# Allegro board hdk2_0-hmd-2-pvt-l8-0526p1530.brd (continued)
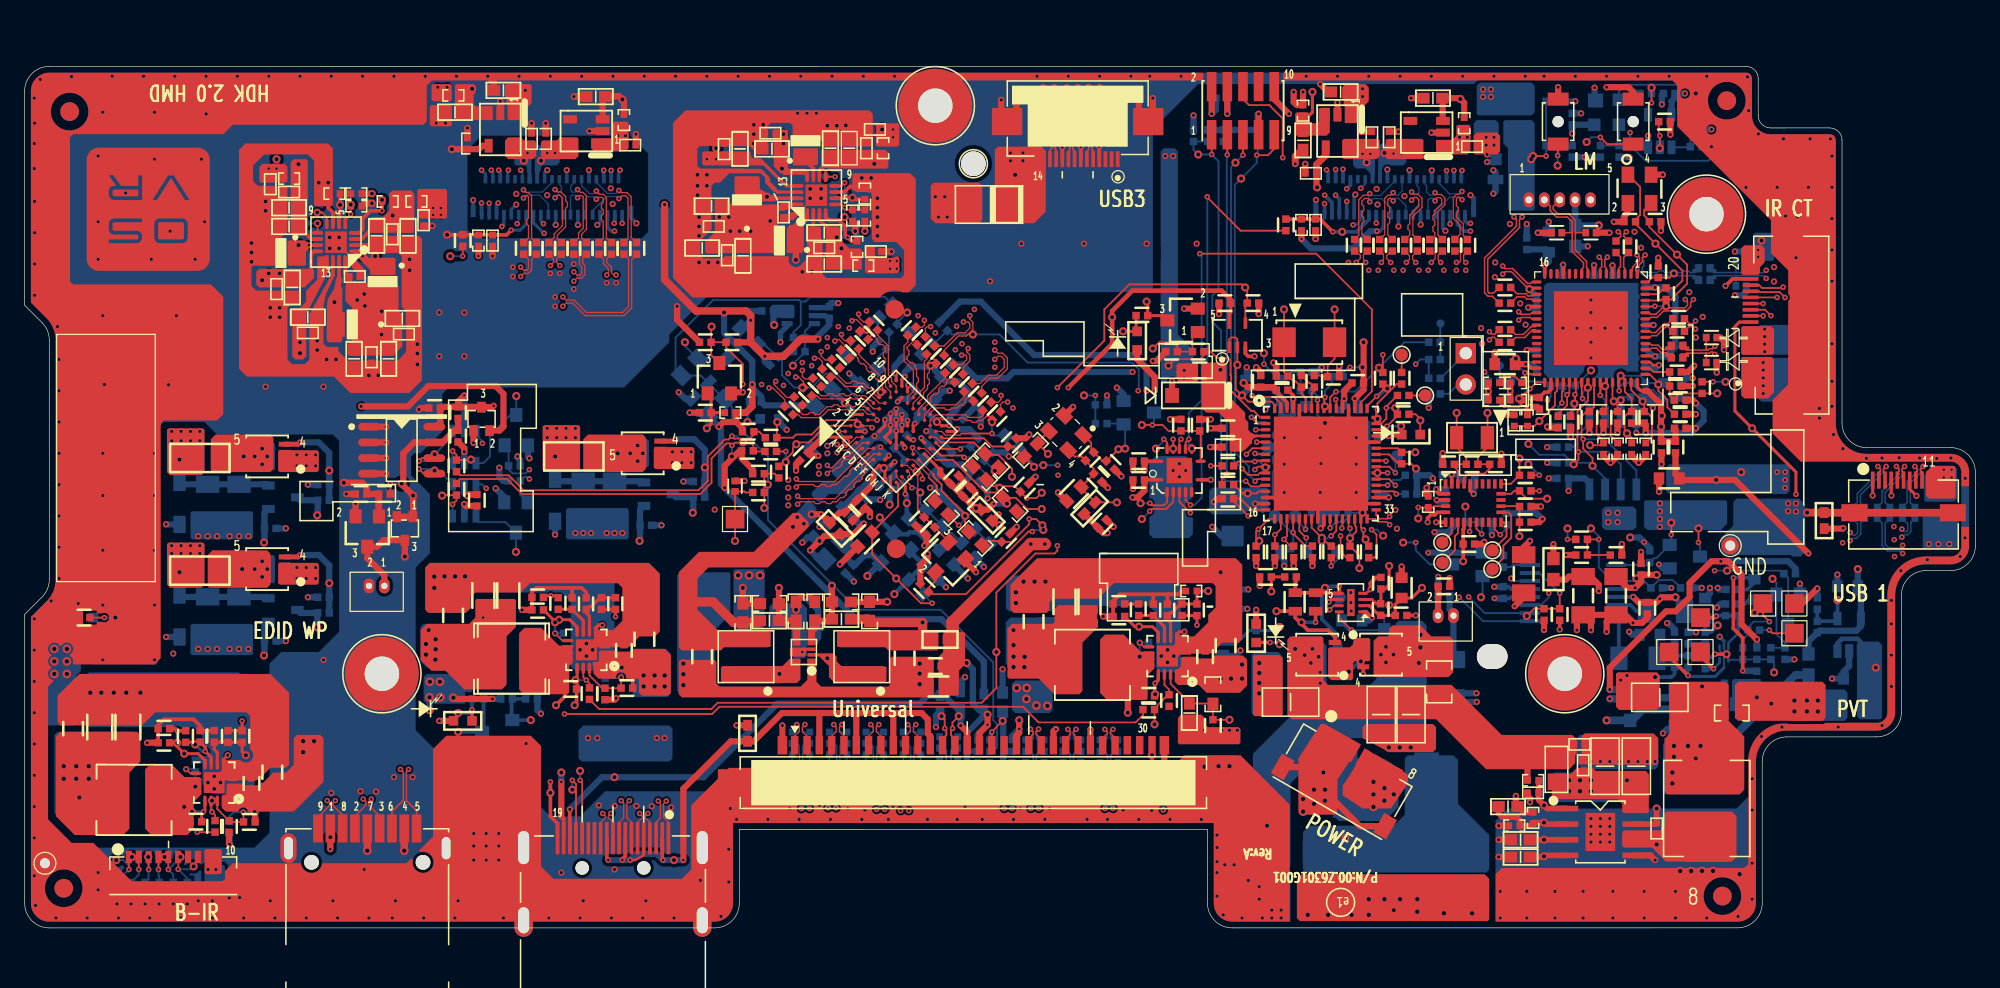
[diagram p0: board, top side]
## Routing (per net, layer and track width the routed paths; a pad name or vN(x,y) marks a point on that pad's centre or on a via; arc(x,y) is an arc through that point) (continued)
  vias: v1(65.15,21.89)
N17195179: length 4.2
  TOP w0.508: v1(65.52,27.78) R845.2 C830.2 65.38,24.92 R846.1
N17195189: length 2.9
  TOP w0.508: R845.1 68.56,26.46 R844.2 v1(70,26.47)
N17195330: length 2.6
  TOP w0.508: v1(58.29,27.6) R847.2 58.3,26.33 R849.1
N17352444: length 16.1
  TOP w0.102: v2(69.18,41.22) 69.18,41.22 U57.B4
  BOTTOM w0.152: R744.2 60,47.36 Q21.3 ; R744.2 61.46,46.05 61.46,44.87 62.48,43.86 v1(63.12,43.86) 63.88,43.86 65.02,45 65.55,45 69.18,41.37 v2(69.18,41.22) ; R744.2 61.59,46.78 R1150.2
N17359171: length 8.4
  TOP w0.152: U55.8 95.45,40.27 R750.2 R748.2 92.83,40.34 92.35,40.82 v2(91.53,40.82) v1(90.67,40.82)
  BOTTOM w0.152: v2(91.53,40.82) 91.65,40.95 Q23.2
N17359836: length 3.4
  BOTTOM w0.152: v1(89.32,38.91) 89.32,40.75 Q23.1 89.13,40.94 R751.1
N17370797: length 3.7
  TOP w0.254: v2(67.08,41.67) 67.28,41.67 67.29,41.68 U57.A4
  BOTTOM w0.508: R745.2 66.57,42.64 v1(66.57,42.61) 67.08,42.11 v2(67.08,41.67)
N17391311: length 3.5
  TOP w0.254: J1.30 v2(91.5,13.12)
  BOTTOM w0.254: R1004.1 91.49,12.8 91.5,12.81 v2(91.5,13.12) v1(91.5,14.01)
N17439786: length 7.4
  BOTTOM w0.152: v1(39.9,43.17) Q30.2 39.43,41.64 37.77,39.97 37.77,38.27 37.23,37.73 U64.1
N17441592: length 13
  TOP w0.508: D12.2 D12.1 31.53,33.4 v1(31.53,35.1) 30.73,35.89 30.73,38.52 31.62,39.41 U65.7 33.91,39.41 34.88,40.39 R1089.1 R1087.2
N17441689: length 3
  TOP w0.152: v1(36.22,38.02) 36.18,37.98 R1085.1 35.05,38.4 v2(34.73,38.71)
  BOTTOM w0.152: U64.3 v2(34.73,38.71)
N17441691: length 3
  TOP w0.152: v1(33.88,35.1) 33.92,35.13 R1088.1 35.05,34.7 v2(34.73,34.38)
  BOTTOM w0.152: U66.3 v2(34.73,34.38)
N17442615: length 5.5
  BOTTOM w0.152: U66.1 36.63,33.16 36.85,32.94 39.02,32.94 Q31.2 v1(39.87,30.52)
N17443574: length 5.3
  TOP w0.152: v2(32,37.89) 32.25,38.14 U65.6
  BOTTOM w0.152: U64.4 34.73,39.91 v1(33.27,38.45) 32.71,37.89 v2(32,37.89)
N17443583: length 4.6
  TOP w0.152: v2(32,37.25) 32.38,36.87 U65.5
  BOTTOM w0.152: U66.4 33.62,37.13 v1(33.27,37.13) 33.14,37.25 v2(32,37.25)
N17447968: length 8.4
  TOP w0.508: v1(30.86,30.14) D12.3 29.13,31.48 28.59,30.94 Q40.3 27.81,30.02 29.2,28.63 J102.1
N17448224: length 5.8
  TOP w0.152: v1(91.56,47.03) 92.07,47.54 93.21,47.54 93.56,47.2 R1093.1 R1092.2 94.78,47.94 Q32.1
N17448253: length 2.9
  TOP w0.254: v1(91.06,50.84) 91.14,50.75 R1091.2 92.36,49.7 Q32.3
N17448268: length 2.5
  TOP w0.254: R1091.1 90.2,48.51 LD17.2 89.16,48.42 v1(89.15,48.43)
N17463628: length 5.4
  TOP w0.508: 28.76,35.2 R1148.2 R1147.1 27.77,35.77 27.4,36.14 v1(25.9,36.14)
  TOP w0.559: Q40.1 28.74,33.43 R1148.2
N17479334: length 4.2
  TOP w0.254: R1157.1 55.71,40.9 v1(55.37,40.56) ; R1157.1 55.71,43.11 Q42.1 ; R1157.1 R1154.1
N17484426: length 5.4
  BOTTOM w0.152: v1(69.47,43.48) 69.23,43.71 Q43.1 69.23,46.28 R1159.2 70.15,47.2 R1158.2
N17487205: length 2.6
  BOTTOM w0.152: D16.3 71.49,48.34 R1158.1 70.81,49.14 v1(71.62,49.95)
N17489601: length 4.1
  BOTTOM w0.152: 66.82,46.51 66.82,47.05 v1(68.32,48.56) R1155.1
N168632800: length 3.8
  BOTTOM w0.152: v1(129.54,44.82) 131.11,44.82 131.53,44.4 R529.2 LD13.1
N168718030: length 3
  TOP w0.152: R252.1 v2(6.47,25.19)
  BOTTOM w0.152: LD4.2 v2(6.47,25.19) v1(7.36,25.19)
N169110401: length 3
  TOP w0.305: v2(36.31,17.71) 36.31,17.71 LD5.2
  BOTTOM w0.305: R55.1 v2(36.31,17.71) 36.04,17.44 v1(35.18,17.44)
N169110490: length 4.7
  BOTTOM w0.305: R55.2 37.25,16.05 Q11.3 v1(35.18,15.92)

## Copper pours and planes (outline as drawn; the poured copper is in the pictures)
1V2_VPH on TOP (solid shape): 90.5,22.51 90.51,22.51 90.57,22.44 91.64,22.44 91.7,22.38 91.7,21.06 91.14,20.51 91.14,18.62 91.03,18.51 87.83,18.51 87.28,19.06 87.28,23.41 87.69,23.81 89.19,23.81
1V2_VUNREG on TOP (solid shape): 87.12,26.08 87.12,25.58 87.02,25.28 87.12,24.99 87.12,24.43 85.85,23.16 85.85,19.22 85.59,18.97 83.56,18.97 82.29,20.24 79.88,20.24 79.75,20.36 79.75,20.86 79.76,20.86 79.78,21 79.76,21.13 79.75,21.14 79.75,24.3 80.13,24.68 83.44,24.68 83.59,24.83 83.59,25.93 83.85,26.2 87,26.2
1V2_VUNREG on BOTTOM (solid shape): 85.1,25.43 85.1,24.57 84.96,24.43 83.82,24.43 83.67,24.28 83.57,24.28 83.57,24.18 83.44,24.05 83.44,20.74 83.38,20.69 80.12,20.69 79.88,20.92 79.88,21 79.81,21.25 79.63,21.44 79.63,24.81 80.02,25.2 82.2,25.2 82.23,25.23 83.56,25.23 83.9,25.57 84.96,25.57
12V_IN on TOP (solid shape): 105.41,23.54 105.41,20.11 105.79,19.73 115.82,19.73 119.88,15.66 125.6,15.66 125.98,15.28 125.98,14.14 125.85,14.01 125.85,13.38 125.35,12.87 118.61,12.87 114.55,16.93 102.87,16.93 102.49,17.32 102.49,23.41 102.74,23.67 105.28,23.67
12V_IN on BOTTOM (solid shape): 105.66,22.9 105.66,19.47 105.28,19.09 102.74,19.09 102.49,19.35 102.49,22.9 102.87,23.28 105.28,23.28
12V_R on TOP (solid shape): 114.17,23.67 115.69,23.67 115.95,23.41 115.95,20.74 115.57,20.36 109.47,20.36 109.47,23.28 109.85,23.67 110.61,23.67 110.74,23.79 110.74,24.3 110.99,24.55 113.28,24.55
12V_R on BOTTOM (solid shape): 113.79,24.55 113.79,16.55 112.65,15.41 106.42,15.41 102.74,11.73 102.74,5 102.49,4.74 102.1,4.74 99.06,4.74 98.8,5 98.8,8.81 99.69,9.7 99.69,14.14 104.01,18.46 107.95,18.46 109.72,20.24 109.72,23.03 109.98,23.28 110.87,23.28 111.25,23.67 111.25,24.68 111.5,24.94 113.41,24.94
+12V on TOP (solid shape): 111.64,12.89 112.26,12.42 112.26,11.73 110.89,9.7 108.58,9.7 106.97,10.76 106.97,11.56 107.21,11.88 107.28,12 107.44,12.24 108.84,14.52
+12V on BOTTOM (solid shape): 111.5,13 111.5,9.82 110.36,8.68 106.68,8.68 106.3,9.06 106.3,13.51 106.55,13.76 110.27,13.76
+12V_F on BOTTOM (solid shape): 116.33,13.63 116.33,10.08 118.87,7.54 118.87,4.74 118.61,4.49 104.01,4.49 103.76,4.74 103.76,7.79 104.26,8.3 111.12,8.3 112.01,9.19 112.01,13.76 112.26,14.01 115.95,14.01
AVDD_11_HDMI on BOTTOM (solid shape): 70.3,38.4 70.3,38.27 69.95,37.92 69.34,37.92 66.65,35.22 65.27,35.22 64.77,34.71 64.26,34.71 63.88,35.1 63.88,35.35 64.77,36.24 66.11,36.24 69.14,39.26 69.44,39.26
AVDD_11_HDMI on L4_IN2 (solid shape): 68.45,40.43 68.45,39.54 68.7,39.29 70.23,39.29 70.35,39.16 70.35,38.14 70.1,37.89 68.32,37.89 67.43,38.78 67.43,40.43 67.56,40.56 68.32,40.56
AVDD_COM_L on TOP (solid shape): 24.61,54.42 24.61,53.22 24.51,53 23.24,50.56 23.08,50.27 23,50.27 23,50.12 22.86,49.87 22.86,46.4 22.6,46.14 21.97,46.14 21.71,46.4 21.71,50.21 21.84,50.34 22.33,50.34 22.35,50.34 22.84,50.83 22.84,51.72 23.75,52.62 23.75,53.49 23.75,54.4 23.86,54.51 24.07,54.51 24.12,54.52 24.18,54.53 24.51,54.53
AVDD_COM_R on TOP (solid shape): 58.92,62.91 58.92,62.65 59.1,62.48 59.74,62.48 61.03,61.18 60.93,61.07 60.84,61.07 60.02,61.89 55.11,61.89 54.99,62.02 54.99,62.91 55.11,63.04 58.8,63.04
DGND on TOP (solid shape): 23.87,38.65 23.87,37.13 23.75,37 20.7,37 20.57,37.13 20.57,38.65 20.7,38.78 23.75,38.78
DGND on TOP (solid shape): 23.87,29.51 23.87,27.98 23.75,27.86 20.7,27.86 20.57,27.98 20.57,29.51 20.7,29.63 23.75,29.63
DGND on TOP (solid shape): 54.35,38.91 54.35,37.38 54.23,37.25 51.18,37.25 51.05,37.38 51.05,38.91 51.18,39.03 54.23,39.03
DGND on TOP (solid shape): 114.55,16.3 114.55,14.52 114.3,14.27 110.74,14.27 108.58,15.41 108.58,16.3 108.84,16.55 114.3,16.55
DGND on TOP (solid shape): 132.71,20.49 132.71,17.95 132.46,17.7 129.41,17.7 129.16,17.95 129.16,20.62 129.28,20.74 132.46,20.74
DGND on TOP (solid shape): 27.68,53.38 27.68,52.62 26.92,52.62 26.92,53.26 26.87,53.31 26.87,53.41 26.77,53.41 26.54,53.64 26.54,54.02 26.67,54.15 26.92,54.15
DGND on TOP (solid shape): 34.67,66.67 34.67,65.19 34.54,65.07 33.02,65.07 32.89,65.19 32.89,66.67 33.02,66.79 34.54,66.79
DGND on TOP (solid shape): 77.72,60.24 77.72,57.45 77.47,57.19 73.91,57.19 73.53,57.57 73.53,60.24 73.78,60.5 77.47,60.5
DGND on TOP (solid shape): 102.1,21.89 102.1,17.32 101.98,17.19 99.82,17.19 99.69,17.32 99.69,22.01 99.82,22.14 101.85,22.14
DGND on TOP (solid shape): 119.76,64.31 119.76,63.04 119.5,62.78 117.73,62.78 117.6,62.91 117.6,64.31 117.85,64.56 119.5,64.56
DGND on TOP (solid shape): 141.98,48.61 141.98,46.65 141.86,46.53 139.42,46.53 139.32,46.63 139.32,48.74 139.42,48.84 141.75,48.84
DGND on TOP (solid shape): 95.75,17.06 95.75,16.55 96.01,16.3 98.42,16.3 98.68,16.05 98.68,15.03 98.55,14.9 93.72,14.9 93.6,15.03 93.6,17.06 93.85,17.32 95.5,17.32
DGND on TOP (solid shape): 132.58,15.41 132.58,13.38 132.46,13.25 127.36,13.25 127.02,13.25 127.02,13.28 126.21,13.28 126.11,13.38 126.11,13.89 126.36,14.14 126.36,15.54 126.62,15.79 132.2,15.79
DGND on TOP (solid shape): 63.12,58.19 62.37,57.45 62.1,57.45 61.85,57.19 61.34,57.19 61.34,57.27 61.31,57.3 61.31,57.9 61.34,57.9 61.34,57.96 61.73,57.96 61.97,57.96 62.02,58.01 62.13,58.01 62.13,58.08 62.35,58.08 62.59,58.32 62.76,58.32 62.81,58.33 62.86,58.34 63.12,58.34
DGND on TOP (solid shape): 73.78,21.89 73.78,18.84 73.66,18.71 53.34,18.71 53.08,18.97 53.08,21.63 53.21,21.76 56,21.76 56.13,21.63 56.13,19.86 56.38,19.6 62.99,19.6 63.52,20.14 63.52,21.84 63.55,21.86 64.21,21.86 64.26,21.81 64.26,19.98 64.64,19.6 70.1,19.6 70.23,19.73 70.23,21.89 70.35,22.01 73.66,22.01
DGND on TOP (solid shape): 98.82,29.49 98.82,23.44 98.53,23.15 97.19,23.15 96.36,22.32 96.26,22.32 96.26,22.26 93.85,22.26 93.6,22.01 93.6,21.38 93.47,21.25 92.07,21.25 91.94,21.38 91.94,22.78 92.07,22.9 93.21,22.9 93.37,23.06 93.37,23.74 93.42,23.79 93.72,23.79 93.85,23.67 94.92,23.67 96.06,24.81 96.06,25.41 96.66,26.01 96.66,27.74 96.41,27.98 88.39,27.98 87.12,26.71 83.44,26.71 83.18,26.46 83.18,25.82 82.93,25.57 80.26,25.57 80.01,25.82 80.01,27.86 82.17,30.02 98.29,30.02
DGND on TOP (solid shape): 51.56,28.75 51.56,24.05 51.17,23.66 49.91,23.66 49.03,22.78 46.63,22.78 46.62,22.77 46.47,22.77 46.34,22.64 46.34,22.39 45.96,22.01 45.2,22.01 44.94,22.26 44.94,23.15 45.19,23.4 45.22,23.39 45.36,23.37 45.49,23.4 45.5,23.4 45.68,23.4 45.69,23.4 45.84,23.37 45.99,23.4 46,23.4 46.21,23.4 46.21,23.63 46.23,23.72 46.23,23.76 46.23,24.06 46.35,24.17 47.75,24.17 48.51,24.94 48.51,25.3 48.51,27.36 48.51,27.6 48.14,27.98 41.01,27.98 40.26,27.22 36.57,27.22 36.19,26.84 36.19,25.95 35.81,25.57 32.76,25.57 32.51,25.82 32.51,29.25 32.89,29.63 50.67,29.63
DGND on TOP (solid shape): 25.02,63.29 25.02,58.72 24.89,58.59 23.62,58.59 23.49,58.72 23.49,62.27 22.98,62.78 19.43,62.78 18.54,61.89 18.54,60.62 18.92,60.24 21.21,60.24 21.33,60.11 21.33,56.53 20.62,55.82 20.62,54.09 20.29,53.76 18.54,53.76 18.41,53.64 18.41,52.11 18.79,51.73 22.22,51.73 22.35,51.61 22.35,50.72 22.22,50.59 21.59,50.59 21.33,50.34 21.33,46.14 21.71,45.76 22.73,45.76 23.11,46.14 23.11,49.8 24.38,52.11 24.56,52.11 24.25,50.46 24.27,50.38 24.25,50.34 24.25,47.41 24.51,47.16 25.47,47.16 25.47,46.81 26.23,46.04 30.27,46.04 30.6,46.37 30.6,46.4 30.96,46.75 30.96,50.06 30.6,50.41 30.6,54.53 30.35,54.78 28.19,54.78 27.94,55.03 27.94,55.92 28.19,56.18 32,56.18 32.25,55.92 32.25,45.64 32.23,45.61 32.23,44.44 31.21,43.43 26.44,43.43 25.12,44.75 18.03,44.75 17.4,45.38 17.4,63.16 17.9,63.67 24.63,63.67
DGND on TOP (solid shape): 21.46,19.09 21.46,13.25 21.21,13 19.95,13 19.67,12.72 18.99,12.05 18.89,12.05 18.89,11.98 16.39,11.99 16.26,11.99 16.14,11.86 16.13,11.61 15.75,11.23 14.99,11.23 14.74,11.49 14.74,12.37 14.99,12.62 15.07,12.6 15.18,12.6 15.29,12.62 15.3,12.63 15.48,12.63 15.58,12.6 15.62,12.59 15.91,12.7 16.03,12.99 16.03,13.54 16.13,13.63 17.51,13.63 18.38,13.62 18.3,14.48 18.3,14.65 18.31,16.56 18.31,17.19 17.99,17.51 10.6,17.51 9.52,16.43 2.92,16.43 2.66,16.68 2.66,18.84 4.44,20.62 19.94,20.62
DGND on TOP (solid shape): outline of 109 points within 52.61,51.18 72.33,66.37
DGND on TOP (solid shape): outline of 285 points within 5.03,53.34 15.03,63.34
DGND on TOP (solid shape): outline of 325 points within 119.38,0.51 157.81,32.56
DGND on TOP (solid shape): outline of 338 points within 102.15,35.86 157.81,69.42
DGND on TOP (solid shape): outline of 1343 points within 0.51,0.51 102.68,69.42
DGND on BOTTOM (solid shape): 18.54,33.7 18.54,31.67 18.41,31.54 13.59,31.54 13.46,31.67 13.46,33.7 13.59,33.83 18.41,33.83
DGND on BOTTOM (solid shape): 18.54,24.55 18.54,22.27 18.41,22.14 13.59,22.14 13.46,22.27 13.46,24.55 13.59,24.68 18.41,24.68
DGND on BOTTOM (solid shape): 49.02,33.95 49.02,31.67 48.89,31.54 44.07,31.54 43.94,31.67 43.94,33.95 44.07,34.08 48.89,34.08
DGND on BOTTOM (solid shape): 52.57,16.17 52.57,13.76 52.32,13.51 45.21,13.51 44.95,13.76 44.95,16.05 45.34,16.43 52.32,16.43
DGND on BOTTOM (solid shape): 130.81,33.95 130.81,32.56 130.55,32.3 128.27,32.3 128.01,32.56 128.01,33.95 128.27,34.21 130.55,34.21
DGND on BOTTOM (solid shape): 144.9,48.81 144.9,46.65 144.78,46.53 140.84,46.53 140.71,46.65 140.71,48.81 140.84,48.94 144.78,48.94
DGND on BOTTOM (solid shape): 102.1,22.01 102.1,17.32 101.98,17.19 99.82,17.19 99.56,17.44 99.56,22.14 99.82,22.4 101.72,22.4
DGND on BOTTOM (solid shape): 119.63,65.32 119.63,63.42 119.38,63.16 117.85,63.16 117.6,63.42 117.6,65.32 117.85,65.58 119.38,65.58
DGND on BOTTOM (solid shape): 132.58,15.28 132.58,13.12 132.33,12.87 126.49,12.87 125.98,13.38 125.98,15.41 126.23,15.66 132.2,15.66
DGND on BOTTOM (solid shape): 156.97,33.32 156.97,31.03 156.71,30.78 154.17,30.78 154.05,30.9 154.05,33.32 154.17,33.44 156.84,33.44
DGND on BOTTOM (solid shape): 57.27,28.75 57.27,25.44 56,24.17 56,19.22 55.88,19.09 53.08,19.09 52.96,19.22 52.96,28.62 53.21,28.87 57.15,28.87
DGND on BOTTOM (solid shape): 71.73,41.73 71.73,40.91 70.35,39.54 69.03,39.54 65.99,36.49 65.91,36.49 65.53,36.87 65.53,37.38 67.94,39.79 68.58,39.79 69.59,40.81 69.59,41.32 70.61,42.33 71.12,42.33
DGND on BOTTOM (solid shape): 93.85,27.98 93.85,24.27 93.77,24.05 93.85,23.83 93.85,21.13 93.47,20.74 92.2,20.74 91.82,21.13 91.82,25.57 91.27,26.12 83.73,26.12 83.31,25.7 79.88,25.7 79.64,25.94 79.64,28.11 80.13,28.61 93.22,28.61
DGND on BOTTOM (solid shape): 143.63,34.84 143.76,34.82 143.89,34.84 143.9,34.84 144.01,34.84 144.52,34.33 144.52,30.68 144.43,30.56 144.4,30.42 144.39,30.4 144.14,30.14 143.46,30.14 143.34,30.27 138.04,30.27 137.66,30.65 137.66,31.67 138.68,32.68 138.68,34.59 138.93,34.84 143.62,34.84
DGND on BOTTOM (solid shape): 130.97,52.33 130.97,51.43 131.06,51.43 131.06,51.02 130.97,51.02 130.97,49.9 131.06,49.9 131.06,49.5 130.97,49.5 130.97,48.38 131.06,48.38 131.06,47.59 130.97,47.59 130.97,46.47 131.06,46.47 131.06,46.07 130.97,46.07 130.97,45.15 130.02,45.15 129.31,45.36 128.96,44.71 128.97,44.69 128.9,44.62 127.56,44.62 127.46,44.69 127.49,44.8 127.33,45.8 126.55,45.15 126.02,44.62 123.69,44.62 123.31,45 123.31,52.11 123.57,52.37 130.93,52.37
DGND on BOTTOM (solid shape): outline of 96 points within 32.51,20.87 47.88,29.63
DGND on BOTTOM (solid shape): 94.81,37.74 94.81,35 94.51,34.7 94.5,34.7 94.24,34.44 94.33,34.08 94.35,34.02 94.33,33.95 94.28,33.5 94.7,33.33 94.78,33.3 94.81,33.23 94.81,31.97 94.48,31.64 91.59,31.64 91.28,31.95 91.28,33.33 91.41,33.46 91.42,33.46 91.68,33.72 91.6,34.08 91.57,34.14 91.6,34.21 91.68,34.61 91.35,34.86 91.33,34.86 91.28,34.91 91.28,37.02 91.3,37.13 91.28,37.23 91.28,37.79 91.79,38.3 94.26,38.3
DGND on BOTTOM (solid shape): 104.6,41.46 104.96,41.1 104.95,41.07 105.72,40.43 105.95,41.4 105.93,41.51 106.02,41.57 106.24,41.57 106.24,41.48 107.36,41.48 107.36,41.57 107.77,41.57 107.77,41.48 108.8,41.48 109.22,41.06 109.22,37.06 109.2,36.94 109.22,36.81 109.22,34.84 108.96,34.59 101.47,34.59 101.22,34.84 101.22,37 101.34,37.38 101.22,37.76 101.22,38.31 101.72,39.03 101.22,39.75 101.22,40.18 101.85,40.81 102.87,40.81 103.63,41.57 104.6,41.57
DGND on BOTTOM (solid shape): outline of 146 points within 4.7,10.84 18.65,20.74
DGND on BOTTOM (solid shape): outline of 5504 points within 0.51,0.51 157.81,69.42
DGND on L2_GND (solid shape): outline of 32018 points within 0.51,0.51 157.81,69.42
DGND on L3_IN1 (solid shape): outline of 6690 points within 0.51,0.51 157.81,69.42
DGND on L4_IN2 (solid shape): outline of 1941 points within 0.51,0.51 157.81,69.42
DGND on L5_VCC (solid shape): outline of 108 points within 0.51,0.51 157.81,69.42
DGND on L5_VCC (solid shape): outline of 4690 points within 32.51,36.75 117.73,61.89
DGND on L6_IN3 (solid shape): outline of 6464 points within 0.51,0.51 157.81,69.42
DGND on L7_GND (solid shape): outline of 32020 points within 0.51,0.51 157.81,69.42
GND_RET on TOP (solid shape): 108.45,14.9 106.68,12.24 106.55,12.11 106.55,9.44 106.3,9.19 103.63,9.19 103.37,9.44 103.37,13.76 103.63,14.14 105.2,16.55 105.51,16.55
GND_RET on TOP (solid shape): 118.87,3.98 118.87,0.68 118.74,0.55 103.5,0.55 103.25,0.81 103.25,3.98 103.63,4.36 118.49,4.36
GND_RET on BOTTOM (solid shape): 118.87,3.73 118.87,1.19 118.36,0.68 104.01,0.68 103.76,0.93 103.76,3.73 104.01,3.98 118.61,3.98
GND_RET on L2_GND (solid shape): outline of 192 points within 103.25,0.51 118.87,14.14
GND_RET on L3_IN1 (solid shape): outline of 192 points within 103.25,0.51 118.87,14.14
GND_RET on L4_IN2 (solid shape): outline of 192 points within 103.25,0.51 118.87,14.14
GND_RET on L5_VCC (solid shape): outline of 192 points within 103.25,0.51 118.87,14.14
GND_RET on L6_IN3 (solid shape): outline of 192 points within 103.25,0.51 118.87,14.14
GND_RET on L7_GND (solid shape): outline of 192 points within 103.25,0.51 118.87,14.14
VCC_1V2 on BOTTOM (solid shape): 83.44,19.96 83.44,17.7 83.18,17.44 80.39,17.44 80.13,17.7 80.13,19.83 80.39,20.08 83.31,20.08
VCC_1V2 on L6_IN3 (solid shape): outline of 10451 points within 79.37,16.93 134.36,54.15
VCC_1V8 on TOP (solid shape): 45.08,40.68 45.08,37.25 44.83,37 42.29,37 42.03,37.25 42.03,40.68 42.16,40.81 44.95,40.81
VCC_1V8 on BOTTOM (solid shape): 36.32,20.36 36.32,19.14 35.75,19.14 35.75,18.2 32.64,18.2 32.38,18.46 32.38,20.36 32.64,20.62 36.06,20.62
VCC_1V8 on L6_IN3 (solid shape): outline of 9881 points within 32,17.95 95.88,50.97
VCC_3V3 on TOP (solid shape): 14.6,40.43 14.6,37 14.35,36.75 11.81,36.75 11.55,37 11.55,40.43 11.68,40.56 14.47,40.56
VCC_3V3 on TOP (solid shape): 61.97,64.69 61.97,61.51 61.72,61.26 61.34,61.26 60.79,61.8 60.79,64.12 60.7,64.2 60.7,64.69 60.83,64.81 61.85,64.81
VCC_3V3 on TOP (solid shape): 23.49,53.38 23.49,52.75 22.73,51.99 22.33,51.99 19.05,51.99 18.79,52.24 18.79,53.26 19.05,53.51 21.26,53.51 21.26,53.51 23.36,53.51
VCC_3V3 on TOP (solid shape): 49.02,65.32 49.02,63.29 48.76,63.04 46.22,63.04 45.97,63.29 45.97,64.05 46.04,64.12 46.1,64.1 47.72,64.1 47.72,64.41 47.75,64.43 47.75,65.32 47.88,65.45 48.89,65.45
VCC_3V3 on TOP (solid shape): 117.34,65.07 117.34,64.41 117.34,63.04 117.09,62.78 114.8,62.78 114.55,63.04 114.55,63.92 114.6,63.97 115.92,63.97 115.92,64.03 116.2,64.31 116.2,65.07 116.33,65.19 117.22,65.19
VCC_3V3 on TOP (solid shape): 26.72,52.34 27.78,52.34 27.78,52.37 30.1,52.37 30.35,52.11 30.35,50.08 30.65,49.78 30.65,47.21 29.89,46.45 26.41,46.45 26.2,46.67 26.2,47.34 26.56,47.71 26.56,50.36 26.03,50.89 26.03,52.11 26.29,52.37 26.72,52.37
VCC_3V3 on TOP (solid shape): 57.4,58.72 60.96,58.72 61.08,58.59 61.08,58.16 61.06,58.16 61.06,57.19 61.08,57.17 61.08,54.91 60.96,54.78 58.44,54.78 57.37,54.78 56.13,54.78 55.39,54.78 55.24,54.93 55.24,55.69 56,56.46 56,57.47 56,59.1 56.13,59.23 56.89,59.23
VCC_3V3 on BOTTOM (solid shape): 4.57,25.7 4.57,20.87 4.19,20.49 4.19,16.68 3.93,16.43 1.9,16.43 1.58,16.74 1.58,24.62 2.79,25.82 4.44,25.82
VCC_3V3 on BOTTOM (solid shape): 100.96,35.6 100.96,34.74 100.96,34.08 100.52,33.64 100.48,33.66 100.12,33.78 99.77,33.65 99.69,33.62 99.62,33.67 99.27,33.82 98.96,33.6 98.95,33.57 96.39,33.57 96.14,33.83 96.14,35.48 96.39,35.73 100.83,35.73
VCC_3V3 on L3_IN1 (solid shape): outline of 1746 points within 92.07,14.27 141.35,30.14
VCC_3V3 on L5_VCC (solid shape): outline of 20116 points within 1.4,20.24 140.24,68.54
VCC_5V on TOP (solid shape): 34.67,68.37 34.67,67.23 34.54,67.1 33.14,67.1 33.02,67.23 33.02,68.37 33.14,68.5 34.54,68.5
VCC_5V on TOP (solid shape): 146.17,19.73 146.17,17.06 145.92,16.81 139.06,16.81 138.81,17.06 138.81,19.73 139.06,19.98 145.92,19.98
VCC_5V on TOP (solid shape): 14.6,31.16 14.6,27.86 14.35,27.6 11.81,27.6 11.55,27.86 11.55,31.16 11.68,31.29 14.47,31.29
VCC_5V on TOP (solid shape): 141.98,46.14 141.98,43.48 141.47,42.97 139.57,42.97 139.32,43.22 139.32,46.27 139.39,46.35 141.78,46.35
VCC_5V on TOP (solid shape): 82.87,63.09 82.87,58.15 81.91,57.19 78.86,57.19 78.74,57.32 78.74,63.16 78.99,63.42 82.55,63.42
VCC_5V on TOP (solid shape): 109.09,68.24 109.09,67.1 108.2,66.21 108.2,65.45 108.07,65.32 107.18,65.32 107.13,65.37 107.13,66.82 107.06,66.82 107.06,67.02 107.06,67.23 106.93,67.35 106.93,68.24 107.18,68.5 108.84,68.5
VCC_5V on TOP (solid shape): 95.25,45.76 95.25,44.37 95.12,44.24 93.63,44.24 93.63,44.37 93.59,44.57 93.47,44.74 93.47,45.69 93.62,45.84 95.17,45.84
VCC_5V on TOP (solid shape): 41.14,68.37 41.14,66.97 40.89,66.72 40.64,66.72 40.38,66.46 40.38,65.7 40.26,65.58 39.37,65.58 39.19,65.75 39.19,66.95 39.11,66.95 39.11,67.12 39.11,67.35 38.99,67.48 38.99,68.37 39.11,68.5 41.02,68.5
VCC_5V on TOP (solid shape): 99.22,21.77 99.22,19.68 98.62,19.08 95.93,19.08 95.29,19.72 93.85,19.72 93.6,19.72 93.34,19.98 93.34,20.87 93.47,21 93.6,21 93.85,21.25 93.85,21.89 93.98,22.01 95.12,22.01 95.27,21.87 96.2,21.87 96.2,21.88 96.36,21.88 96.59,22.12 98.88,22.12
VCC_5V on TOP (solid shape): 24.25,15.41 24.25,11.85 21.84,9.44 19.94,9.44 19.94,9.44 18.12,9.44 18.11,9.48 17.74,9.77 17.37,9.48 17.36,9.44 16.39,9.44 16.39,9.45 16.31,9.45 16,9.76 16,10.71 16.1,10.82 16.36,10.82 16.36,10.95 16.38,10.97 16.38,11.6 16.51,11.73 17.62,11.73 17.78,11.57 19.14,11.57 20.19,12.62 21.21,12.62 21.84,13.25 21.84,15.41 22.09,15.66 24,15.66
VCC_5V on TOP (solid shape): 52.45,22.14 52.45,19.09 52.19,18.84 50.11,18.84 49.86,19.09 49.86,20.11 49.74,20.23 48.82,20.23 48.81,20.29 48.41,20.75 48,20.29 48,20.23 46.68,20.23 46.57,20.23 46.17,20.63 46.17,21.1 46.16,21.19 46.11,21.28 46.11,21.29 46.11,21.38 46.1,21.42 46.1,21.51 46.19,21.6 46.57,21.6 46.57,21.72 46.61,21.76 46.61,22.4 46.73,22.52 48.08,22.52 48.08,22.43 49.2,22.43 49.2,22.57 49.27,22.65 51.94,22.65
VCC_5V on BOTTOM (solid shape): 144.9,46.02 144.9,42.97 144.65,42.72 140.97,42.72 140.71,42.97 140.71,46.02 140.97,46.27 144.65,46.27
VCC_5V on BOTTOM (solid shape): 52.45,22.27 52.45,19.02 52.17,18.74 49.58,18.74 49.35,18.97 49.35,22.4 49.6,22.65 52.07,22.65
VCC_5V on BOTTOM (solid shape): 122.55,68.37 122.55,66.21 122.3,65.96 117.98,65.96 117.85,66.08 117.85,68.37 118.11,68.62 122.3,68.62
VCC_5V on BOTTOM (solid shape): 138.17,34.59 138.17,32.81 137.66,32.3 131.7,32.3 131.44,32.56 131.44,34.59 131.57,34.71 138.05,34.71
VCC_5V on BOTTOM (solid shape): 147.95,19.09 147.95,17.06 147.7,16.81 143.25,16.81 143.13,16.93 143.13,19.09 143.38,19.35 147.7,19.35
VCC_5V on BOTTOM (solid shape): 60.07,29 60.07,24.55 59.81,24.3 57.78,24.3 57.53,24.55 57.53,29 57.65,29.13 59.94,29.13
VCC_5V on BOTTOM (solid shape): 93.6,63.04 93.6,48.18 94.87,46.91 94.87,44.49 94.61,44.24 93.63,44.24 93.56,44.27 93.53,44.35 93.13,44.77 92.72,44.35 92.69,44.27 92.62,44.24 92.45,44.24 92.2,44.49 92.2,54.22 92.21,54.22 92.21,55.34 92.2,55.34 92.2,63.04 92.45,63.29 93.34,63.29
VCC_5V on L3_IN1 (solid shape): outline of 5027 points within 78.61,17.13 148.21,68.37
VCC_5V on L4_IN2 (solid shape): outline of 17698 points within 1.9,13 141.41,68.5
VCC_5V on L5_VCC (solid shape): outline of 24671 points within 1.4,1.39 156.93,63.74
VDD_2 on TOP (solid shape): 74.16,24.05 74.16,22.65 74.04,22.52 70.1,22.52 69.85,22.78 66.16,22.78 66.04,22.9 66.04,23.92 66.16,24.05 67.18,24.05 67.31,24.17 74.04,24.17
VDD_11 on TOP (solid shape): 63.62,32.94 63.62,32.56 60.32,29.25 55.5,29.25 54.61,28.36 54.61,25.82 56.38,24.05 60.32,24.05 60.45,23.92 60.45,22.9 60.32,22.78 56.77,22.78 56.51,22.52 53.34,22.52 53.08,22.78 53.08,28.87 54.73,30.52 59.18,30.52 62.35,33.7 62.86,33.7
VDD_11 on BOTTOM (solid shape): 64.26,34.08 64.26,33.19 62.99,31.92 62.35,31.92 61.85,32.43 61.85,32.94 63.62,34.71
VDD_AUDIODAC_2 on TOP (solid shape): 76.32,23.92 76.32,21.38 75.82,20.87 75.82,18.97 75.69,18.84 74.29,18.84 74.16,18.97 74.16,22.01 74.55,22.4 74.55,23.92 74.67,24.05 76.2,24.05
VDD_AUDIODAC_2 on L3_IN1 (solid shape): 83.18,31.41 83.18,29.51 83.05,29.38 81.4,29.38 81.28,29.51 81.28,31.29 81.53,31.54 83.05,31.54
VDD_AUDIODAC_2 on L3_IN1 (solid shape): outline of 1331 points within 112.65,23.73 134.24,31.79
VSS_FET_6A on TOP (solid shape): 109.22,23.41 109.22,21.76 109.11,21.65 107.96,21.65 107.82,21.51 107.82,20.24 107.69,20.11 106.04,20.11 105.79,20.36 105.79,22.65 105.91,22.78 107.57,22.78 107.82,23.03 107.82,23.28 108.07,23.54 109.09,23.54
1_8VPH on TOP (solid shape): 43.35,22.93 44.42,22.93 44.47,22.88 44.47,21.53 44.19,21.25 44.19,19.09 44.07,18.97 40.51,18.97 40.13,19.35 40.13,20.24 40.12,20.24 40.12,23.15 40.13,23.16 40.13,23.66 40.13,23.67 40.13,23.92 40.57,24.36 41.92,24.36
1_8VUNREG on TOP (solid shape): 39.87,26.59 39.87,25.93 39.86,25.82 39.87,25.7 39.87,24.43 39.11,23.67 39.11,19.73 38.73,19.35 35.68,19.35 34.16,20.87 33.02,20.87 32.13,21.76 32.13,24.17 32.64,24.68 36.05,24.68 36.07,24.69 36.57,25.19 36.57,26.59 36.69,26.71 39.76,26.71
1_8VUNREG on BOTTOM (solid shape): 36.32,24.3 36.32,21.51 35.94,21.13 32.64,21.13 32.13,21.63 32.13,24.43 32.38,24.68 35.94,24.68
2.8_V on TOP (solid shape): 16,6.27 16,4.49 15.87,4.36 14.73,4.36 14.6,4.49 14.6,6.27 14.73,6.39 15.87,6.39
